# KiCad board Claculator_Display.kicad_pcb
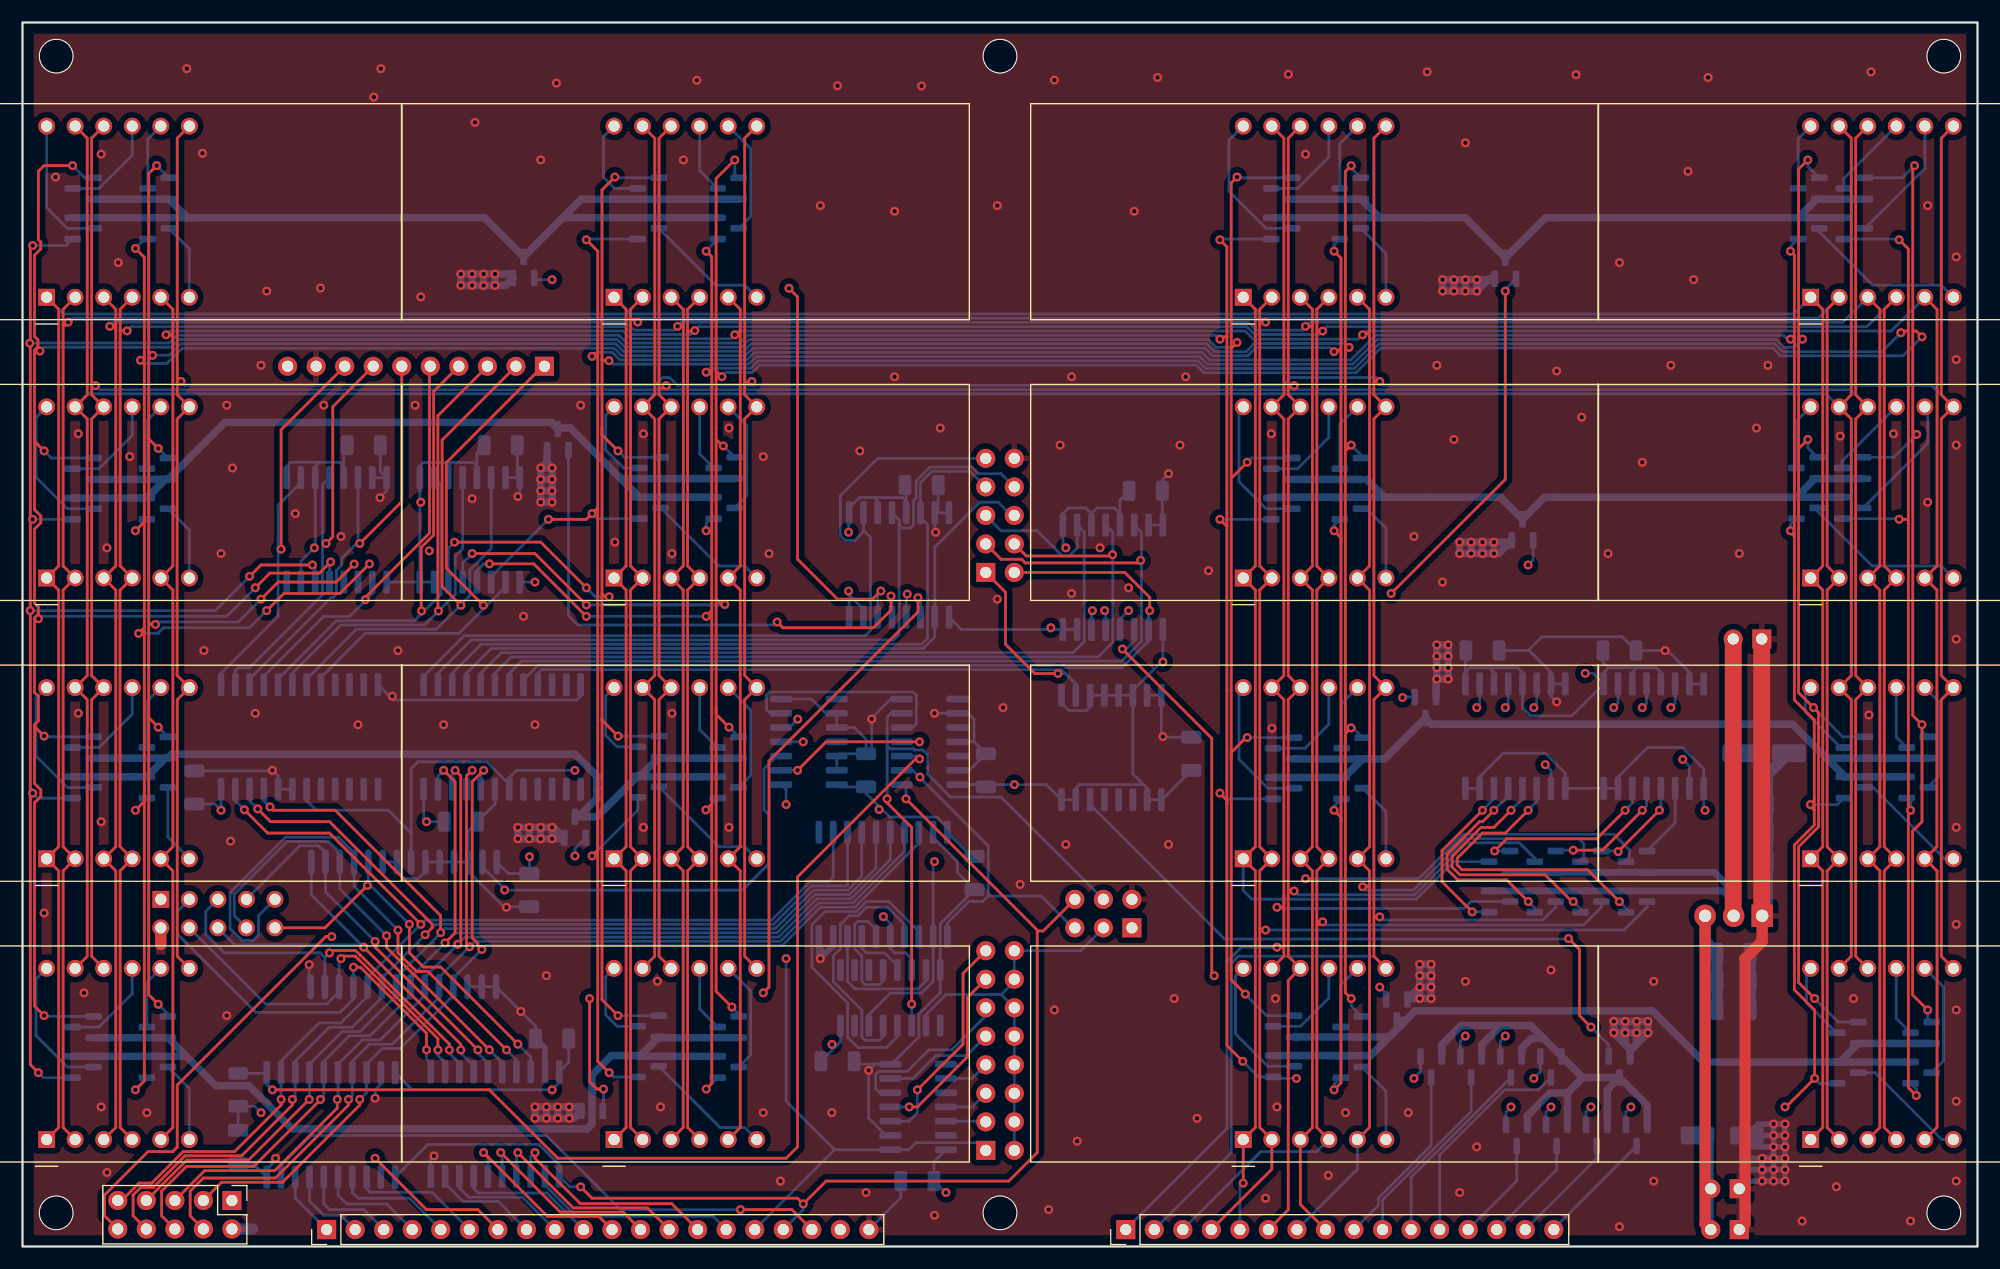
[diagram p0: board, top side]
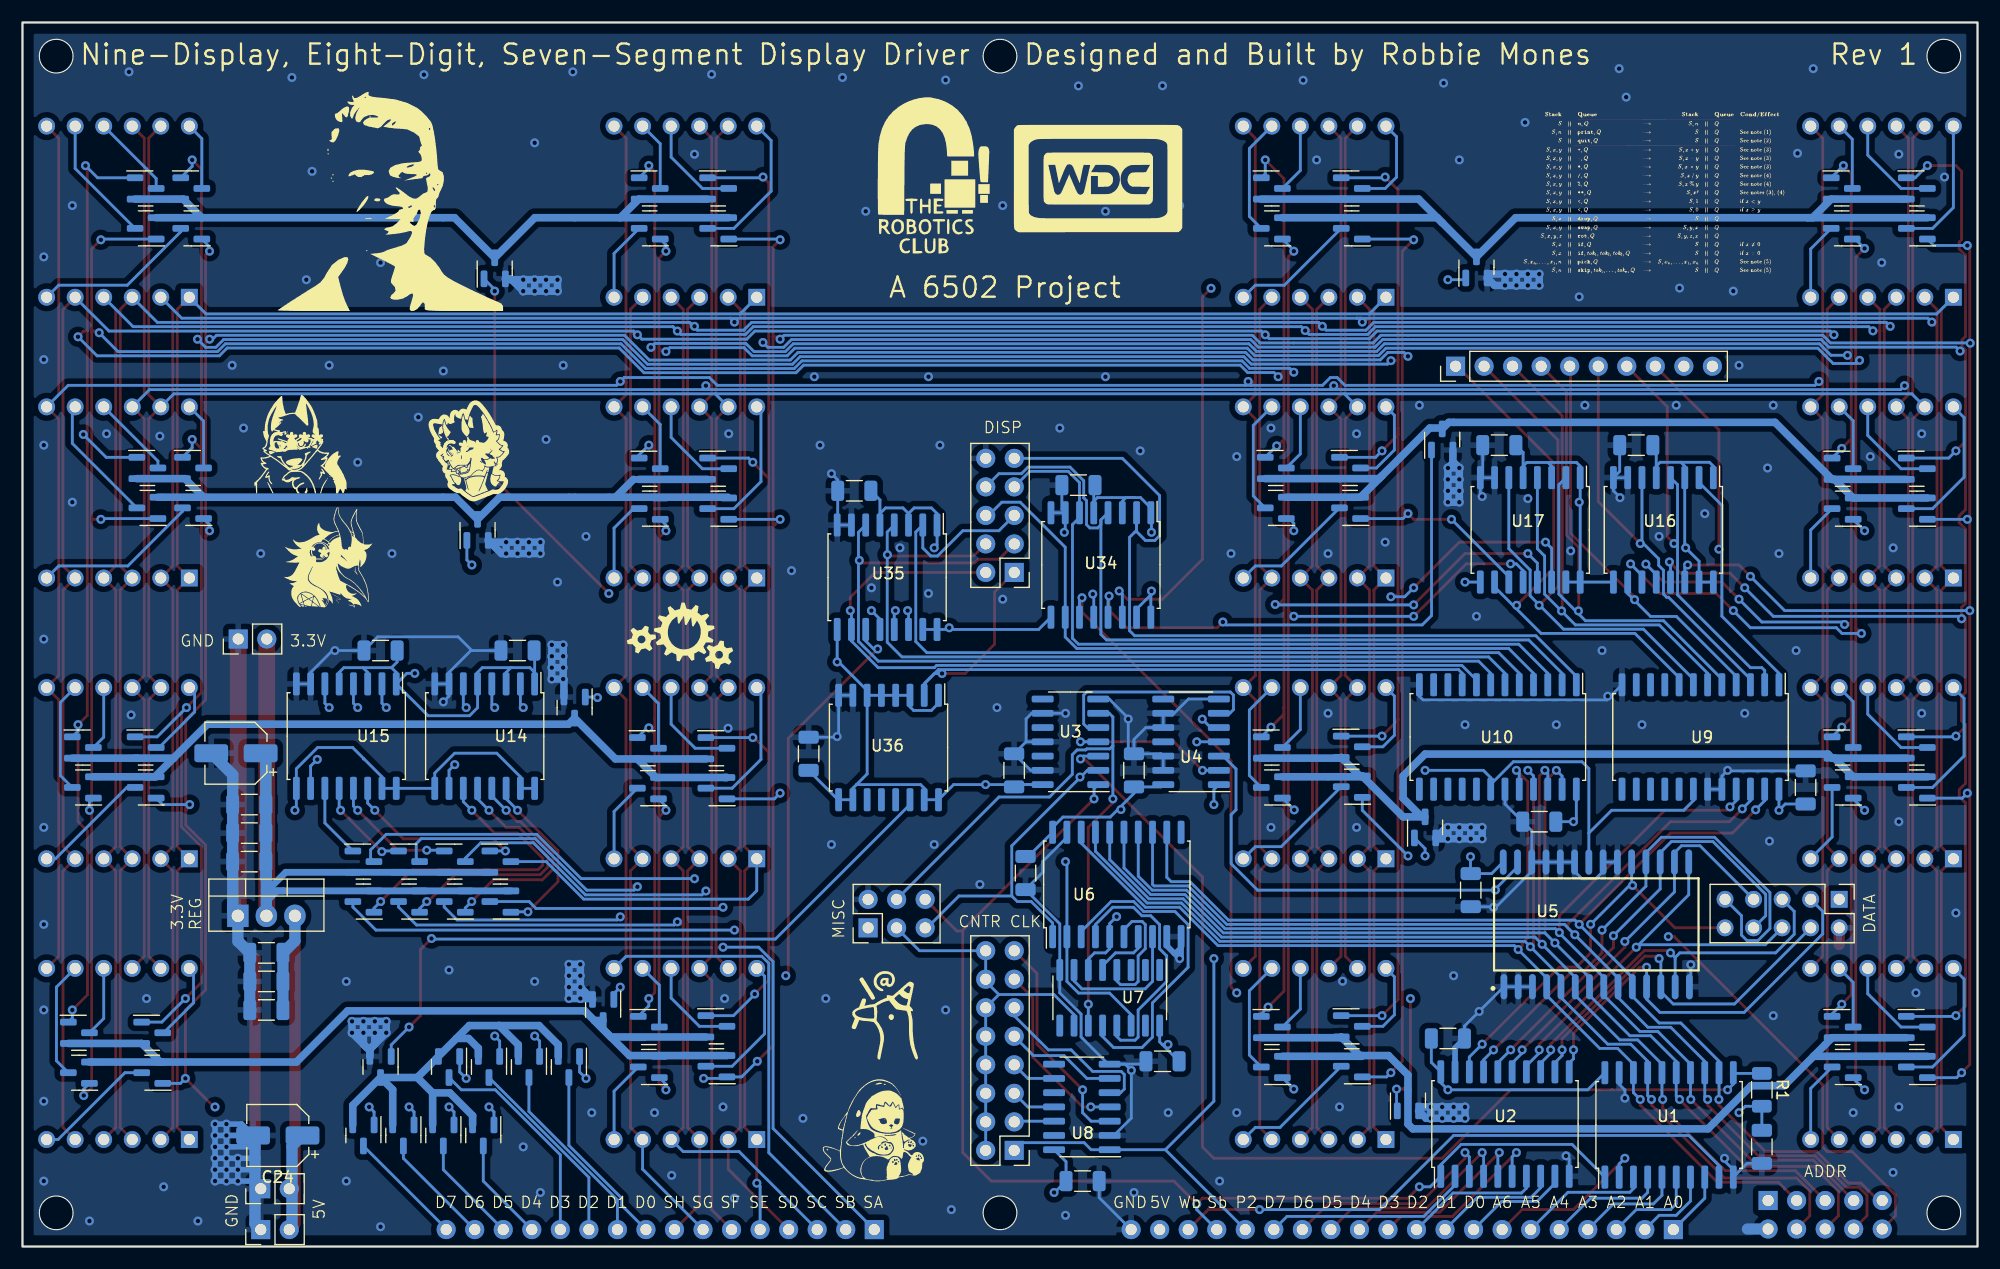
[diagram p1: board, bottom side, seen from below]

Outline 174 x 109 mm; copper layers: Top, In1.Cu (plane), In2.Cu (plane), Bottom. Coordinates in mm from the lower left corner of the outline.
Outline path: rectangle 0,109 174,0 ; circle c3,106 r1.5 ; circle c3,3 r1.5 ; circle c87,106 r1.5 ; circle c87,3 r1.5 ; circle c171,106 r1.5 ; circle c171,3 r1.5
Stack: Top 0.035mm / dielectric 0.1mm FR4 er 4.5 / In1.Cu 0.035mm / dielectric 1.24mm FR4 er 4.5 / In2.Cu 0.035mm / dielectric 0.1mm FR4 er 4.5 / Bottom 0.035mm

## Placement (name value [footprint] x y rotation side)
C1  10uF  [C_1206_3216Metric]  152.29 26.15 0 bottom
C2  1uF  [C_1206_3216Metric]  152.29 23.61 0 bottom
C3  0.1uF  [C_1206_3216Metric]  152.29 21.07 0 bottom
C4  10uF  [C_1206_3216Metric]  153.82 39.36 0 bottom
C5  1uF  [C_1206_3216Metric]  153.82 36.82 0 bottom
C6  0.1uF  [C_1206_3216Metric]  153.82 34.28 0 bottom
C7  1uF  [C_1206_3216Metric]  39.01 37.83 0 bottom
C8  1uF  [C_1206_3216Metric]  15.3 40.88 90 bottom
C9  1uF  [C_1206_3216Metric]  45.1 31.74 270 bottom
C10  1uF  [C_1206_3216Metric]  47.14 18.53 180 bottom
C11  1uF  [C_1206_3216Metric]  19.2 8.88 270 bottom
C12  1uF  [C_1206_3216Metric]  85.74 42.4 90 bottom
C13  1uF  [C_1206_3216Metric]  75.08 42.4 90 bottom
C14  1uF  [C_1206_3216Metric]  79.65 5.83 180 bottom
C15  1uF  [C_1206_3216Metric]  72.54 16.5 0 bottom
C16  1uF  [C_1206_3216Metric]  84.73 33.26 270 bottom
C17  1uF  [C_1206_3216Metric]  129.94 53.07 0 bottom
C18  1uF  [C_1206_3216Metric]  142.13 53.07 0 bottom
C19  1uF  [C_1206_3216Metric]  80.02 67.8 0 bottom
C20  1uF  [C_1206_3216Metric]  99.97 67.3 0 bottom
C21  1uF  [C_1206_3216Metric]  104.03 43.88 90 bottom
C22  1uF  [C_1206_3216Metric]  30.37 71.36 0 bottom
C23  1uF  [C_1206_3216Metric]  42.56 71.36 0 bottom
C24  100uF  [CP_Elec_5x3]  151.28 9.89 0 bottom
C25  100uF  [CP_Elec_5x3]  155 43.93 0 bottom
G***  -  [LOGO]  141.27 93.35 180 bottom
G***#2  -  [LOGO]  97.27 20.6 180 bottom
G***#3  -  [LOGO]  78.27 95.1 180 bottom
G***#4  -  [LOGO]  98.27 10.35 180 bottom
G***#5  -  [LOGO]  146.77 61.35 180 bottom
G***#6  -  [LOGO]  149.65 71.58 180 bottom
G***#7  -  [LOGO]  93.27 95.35 180 bottom
G***#8  -  [LOGO]  115.52 52.85 180 bottom
G***#9  -  [LOGO]  28.77 93.85 180 bottom
G***#10  -  [LOGO]  134.27 70.85 180 bottom
J1  ~  [PinHeader_2x08_P2.54mm_Vertical]  85.73 8.56 0 bottom
J2  Conn_01x10_Pin  [PinHeader_2x05_P2.54mm_Vertical#2]  12.31 30.92 270 bottom
J3  Conn_01x10_Pin  [PinHeader_2x05_P2.54mm_Vertical]  18.64 4.1 270 top
J4  Conn_01x20_Pin  [PinHeader_1x20_P2.54mm_Vertical]  27.07 1.51 90 top
J5  Power Input  [PinHeader_1x02_P2.54mm_Vertical]  152.79 1.51 90 bottom
J6  Conn_01x16_Pin  [PinHeader_1x16_P2.54mm_Vertical]  98.19 1.51 90 top
J7  Conn_01x10_Pin  [PinHeader_1x10_P2.54mm_Vertical]  46.46 78.39 90 bottom
J8  Conn_01x11_Pin  [PinHeader_2x05_P2.54mm_Vertical]  85.73 60.02 0 bottom
J9  Conn_01x06_Pin  [PinHeader_2x03_P2.54mm_Vertical]  98.74 28.38 90 bottom
J10  Conn_01x02_Pin  [PinHeader_1x02_P2.54mm_Vertical]  152.79 5.15 90 bottom
J11  Conn_01x02_Pin  [PinHeader_1x02_P2.54mm_Vertical]  154.79 54.1 90 bottom
Q1  PMOS  [SOT-23P]  131.46 30.72 0 bottom
Q2  PMOS  [SOT-23P]  135.53 30.72 0 bottom
Q3  PMOS  [SOT-23P]  139.59 30.72 0 bottom
Q4  PMOS  [SOT-23P]  143.66 30.72 0 bottom
Q5  PMOS  [SOT-23P]  143.66 34.28 180 bottom
Q6  PMOS  [SOT-23P]  139.59 34.28 180 bottom
Q7  PMOS  [SOT-23P]  135.53 34.28 180 bottom
Q8  PMOS  [SOT-23P]  131.46 34.28 180 bottom
Q9  NMOS  [SOT-23N]  12.08 90.66 0 bottom
Q10  NMOS  [SOT-23N]  12.08 94.22 180 bottom
Q11  NMOS  [SOT-23N]  5.4 94.22 180 bottom
Q12  NMOS  [SOT-23N]  5.4 90.66 0 bottom
Q13  NMOS  [SOT-23N]  12.01 65.71 0 bottom
Q14  NMOS  [SOT-23N]  55.69 90.66 0 bottom
Q15  NMOS  [SOT-23N]  62.81 90.66 0 bottom
Q16  NMOS  [SOT-23N]  62.81 94.22 180 bottom
Q17  NMOS  [SOT-23N]  55.69 94.22 180 bottom
Q18  NMOS  [SOT-23N]  44.6 87.19 90 bottom
Q19  NMOS  [SOT-23N]  55.85 65.77 0 bottom
Q20  NMOS  [SOT-23N]  12.01 69.26 180 bottom
Q21  NMOS  [SOT-23N]  62.45 65.77 0 bottom
Q22  NMOS  [SOT-23N]  5.4 69.26 180 bottom
Q23  NMOS  [SOT-23N]  62.45 69.33 180 bottom
Q24  NMOS  [SOT-23N]  5.4 65.71 0 bottom
Q25  NMOS  [SOT-23N]  55.85 69.33 180 bottom
Q26  NMOS  [SOT-23N]  47.64 71.87 90 bottom
Q27  NMOS  [SOT-23N]  12.01 40.88 0 bottom
Q28  NMOS  [SOT-23N]  55.69 40.95 0 bottom
Q29  NMOS  [SOT-23N]  12.01 44.44 180 bottom
Q30  NMOS  [SOT-23N]  62.81 40.88 0 bottom
Q31  NMOS  [SOT-23N]  5.4 44.44 180 bottom
Q32  NMOS  [SOT-23N]  62.81 44.44 180 bottom
Q33  NMOS  [SOT-23N]  5.4 40.88 0 bottom
Q34  NMOS  [SOT-23N]  55.69 44.5 180 bottom
Q35  NMOS  [SOT-23N]  49.17 37.32 90 bottom
Q36  NMOS  [SOT-23N]  12.01 15.99 0 bottom
Q37  NMOS  [SOT-23N]  55.69 16.05 0 bottom
Q38  NMOS  [SOT-23N]  12.01 19.54 180 bottom
Q39  NMOS  [SOT-23N]  62.81 15.99 0 bottom
Q40  NMOS  [SOT-23N]  5.4 19.54 180 bottom
Q41  NMOS  [SOT-23N]  62.81 19.54 180 bottom
Q42  NMOS  [SOT-23N]  5.4 15.99 0 bottom
Q43  NMOS  [SOT-23N]  55.69 19.61 180 bottom
Q44  NMOS  [SOT-23N]  50.69 13.02 90 bottom
Q45  NMOS  [SOT-23N]  118.18 90.66 0 bottom
Q46  NMOS  [SOT-23N]  158.97 90.66 0 bottom
Q47  NMOS  [SOT-23N]  118.18 94.22 180 bottom
Q48  NMOS  [SOT-23N]  163.04 90.66 0 bottom
Q49  NMOS  [SOT-23N]  112.08 94.22 180 bottom
Q50  NMOS  [SOT-23N]  163.04 94.22 180 bottom
Q51  NMOS  [SOT-23N]  112.08 90.66 0 bottom
Q52  NMOS  [SOT-23N]  158.97 94.22 180 bottom
Q53  NMOS  [SOT-23N]  131.97 87.11 90 bottom
Q54  NMOS  [SOT-23N]  118.18 65.71 0 bottom
Q55  NMOS  [SOT-23N]  158.82 65.77 0 bottom
Q56  NMOS  [SOT-23N]  118.18 69.26 180 bottom
Q57  NMOS  [SOT-23N]  162.88 65.77 0 bottom
Q58  NMOS  [SOT-23N]  112.08 69.26 180 bottom
Q59  NMOS  [SOT-23N]  162.88 69.33 180 bottom
Q60  NMOS  [SOT-23N]  112.08 65.71 0 bottom
Q61  NMOS  [SOT-23N]  158.82 69.33 180 bottom
Q62  NMOS  [SOT-23N]  133.5 63.82 90 bottom
Q63  NMOS  [SOT-23N]  118.33 40.81 0 bottom
Q64  NMOS  [SOT-23N]  163.04 40.88 0 bottom
Q65  NMOS  [SOT-23N]  118.33 44.37 180 bottom
Q66  NMOS  [SOT-23N]  168.63 40.88 0 bottom
Q67  NMOS  [SOT-23N]  112.24 44.37 180 bottom
Q68  NMOS  [SOT-23N]  168.63 44.44 180 bottom
Q69  NMOS  [SOT-23N]  112.24 40.81 0 bottom
Q70  NMOS  [SOT-23N]  163.04 44.44 180 bottom
Q71  NMOS  [SOT-23N]  124.86 47.99 270 bottom
Q72  NMOS  [SOT-23N]  118.26 15.99 0 bottom
Q73  NMOS  [SOT-23N]  162.45 15.48 0 bottom
Q74  NMOS  [SOT-23N]  118.26 19.54 180 bottom
Q75  NMOS  [SOT-23N]  168.98 15.48 0 bottom
Q76  NMOS  [SOT-23N]  112.24 19.61 180 bottom
Q77  NMOS  [SOT-23N]  168.98 19.04 180 bottom
Q78  NMOS  [SOT-23N]  112.24 16.05 0 bottom
Q79  NMOS  [SOT-23N]  162.45 19.04 180 bottom
Q80  NMOS  [SOT-23N]  122.32 21.07 270 bottom
Q81  NMOS  [SOT-23N]  136.04 15.99 270 bottom
Q82  NMOS  [SOT-23N]  143.66 9.89 270 bottom
Q83  NMOS  [SOT-23N]  132.48 15.99 270 bottom
Q84  NMOS  [SOT-23N]  140.1 9.89 270 bottom
Q85  NMOS  [SOT-23N]  128.92 15.99 270 bottom
Q86  NMOS  [SOT-23N]  136.54 9.89 270 bottom
Q87  NMOS  [SOT-23N]  125.37 15.99 270 bottom
Q88  NMOS  [SOT-23N]  132.99 9.89 270 bottom
Q89  NMOS  [SOT-23N]  142.13 15.99 270 bottom
R1  10K  [R_1206_3216Metric]  19.2 13.96 270 bottom
U1  74HC541  [SOIC-20W_7.5x12.8mm_P1.27mm]  27.45 10.83 90 bottom
U2  74HC541  [SOIC-20W_7.5x12.8mm_P1.27mm]  42.06 10.91 90 bottom
U3  74HC14  [SOIC-14_3.9x8.7mm_P1.27mm]  80.73 44.94 0 bottom
U4  74HC00  [SOIC-14_3.9x8.7mm_P1.27mm]  70 44.94 0 bottom
U5  IS62C256AL  [SOIC127P1210X305-28N]  33.93 28.69 90 bottom
U6  74HC541  [SOIC-20W_7.5x12.8mm_P1.27mm]  76.6 32.24 90 bottom
U7  74HC4020  [SOIC-16_3.9x9.9mm_P1.27mm]  77.23 22.15 270 bottom
U8  74HC4024  [SOIC-14_3.9x8.7mm_P1.27mm]  79.71 12.43 0 bottom
U9  74HC154  [SOIC-24W_7.5x15.4mm_P1.27mm]  24.66 45.37 270 bottom
U10  74HC154  [SOIC-24W_7.5x15.4mm_P1.27mm]  42.69 45.37 270 bottom
U11  LD1086V33-DG  [TO-220-3_Vertical]  154.83 29.45 180 bottom
U12  CC56-12EWA  [CA56-12EWA]  2.15 84.53 90 top
U13  CC56-12EWA  [CA56-12EWA]  52.65 84.53 90 top
U14  ~  [SOIC-16W_7.5x10.3mm_P1.27mm]  132.86 45.45 270 bottom
U15  ~  [SOIC-16W_7.5x10.3mm_P1.27mm]  145.18 45.45 270 bottom
U16  ~  [SOIC-16W_7.5x10.3mm_P1.27mm]  27.96 63.82 270 bottom
U17  ~  [SOIC-16W_7.5x10.3mm_P1.27mm]  39.81 63.82 270 bottom
U18  CC56-12EWA  [CA56-12EWA]  2.15 59.53 90 top
U19  CC56-12EWA  [CA56-12EWA]  52.65 59.53 90 top
U20  CC56-12EWA  [CA56-12EWA]  2.15 34.53 90 top
U21  CC56-12EWA  [CA56-12EWA]  52.65 34.53 90 top
U22  CC56-12EWA  [CA56-12EWA]  2.15 9.53 90 top
U23  CC56-12EWA  [CA56-12EWA]  52.65 9.53 90 top
U24  CC56-12EWA  [CA56-12EWA]  108.65 84.53 90 top
U25  CC56-12EWA  [CA56-12EWA]  159.15 84.53 90 top
U26  CC56-12EWA  [CA56-12EWA]  108.65 59.53 90 top
U27  CC56-12EWA  [CA56-12EWA]  159.15 59.53 90 top
U28  CC56-12EWA  [CA56-12EWA]  108.65 34.53 90 top
U29  CC56-12EWA  [CA56-12EWA]  159.15 34.53 90 top
U30  CC56-12EWA  [CA56-12EWA]  108.65 9.53 90 top
U31  CC56-12EWA  [CA56-12EWA]  159.15 9.53 90 top
U34  ~  [SOIC-16W_7.5x10.3mm_P1.27mm]  78.02 60.69 270 bottom
U35  ~  [SOIC-16W_7.5x10.3mm_P1.27mm]  97.05 59.6 270 bottom
U36  ~  [SOIC-16W_7.5x10.3mm_P1.27mm]  96.92 44.44 270 bottom

## Library data of the parts
C1-C25 = -: ki_fp_filters: CP_*
J2 J3 J7 = -: Description: Generic connector, single row, 01x10, script generated; ki_fp_filters: Connector*:*_1x??_*
J4 J6 = -: ki_fp_filters: Connector*:*_1x??_*
J5 J10 J11 = -: Description: Generic connector, single row, 01x02, script generated; ki_fp_filters: Connector*:*_1x??_*
J8 = -: Description: Generic connector, single row, 01x11, script generated; ki_fp_filters: Connector*:*_1x??_*
J9 = -: Description: Generic connector, single row, 01x06, script generated; ki_fp_filters: Connector*:*_1x??_*
Q1-Q89 = -: Datasheet: https://ngspice.sourceforge.io/docs/ngspice-manual.pdf; Sim.Pins: 1=D 2=G 3=S; Sim.Type: VDMOS
R1 = -: ki_fp_filters: R_*
U1 U2 U6 = -: Datasheet: http://www.ti.com/lit/gpn/sn74HCT541; ki_fp_filters: DIP?20*
U3 = -: Datasheet: http://www.ti.com/lit/gpn/sn74HC14; ki_fp_filters: DIP*W7.62mm*
U4 = -: Datasheet: http://www.ti.com/lit/gpn/sn74hc00; ki_fp_filters: DIP*W7.62mm* SO14*
U5 = -: Datasheet: https://www.futurlec.com/Datasheet/Memory/62256.pdf; ki_fp_filters: DIP*W15.24mm*
U7 = -: Datasheet: http://www.intersil.com/content/dam/Intersil/documents/cd40/cd4020bms-24bms-40bms.pdf; ki_fp_filters: DIP?16*
U8 = -: Datasheet: https://assets.nexperia.com/documents/data-sheet/74HC4024.pdf; ki_fp_filters: SOIC*3.9x8.7mm*P1.27mm*
U11 = -: Datasheet: https://www.st.com/resource/en/datasheet/ld1086.pdf; ki_fp_filters: TO?220*
U12 U13 U18-U31 = -: Datasheet: http://www.kingbrightusa.com/images/catalog/SPEC/CA56-12EWA.pdf; ki_fp_filters: *CA56*12EWA*

## Footprints (pads in the part's own frame, mm; a bottom-side part is the same pattern mirrored in y, then rotated)
C_1206_3216Metric
  rrect 1.15x1.8 smd: 1(-1.475,0) 2(1.475,0)
CA56-12EWA
  rect 1.5x1.5 hole 1: 1(0,0)
  round 1.5 hole 1: 2(0,-2.54) 3(0,-5.08) 4(0,-7.62) 5(0,-10.16) 6(0,-12.7) 7(15.24,-12.7) 8(15.24,-10.16) 9(15.24,-7.62) 10(15.24,-5.08) 11(15.24,-2.54) 12(15.24,0)
CP_Elec_5x3
  rrect 3x1.6 smd: 1(-2.2,0) 2(2.2,0)
PinHeader_1x02_P2.54mm_Vertical
  rect 1.7x1.7 hole 1: 1(0,0)
  oval 1.7x1.7 hole 1: 2(0,-2.54)
PinHeader_1x10_P2.54mm_Vertical
  rect 1.7x1.7 hole 1: 1(0,0)
  oval 1.7x1.7 hole 1: 2(0,-2.54) 3(0,-5.08) 4(0,-7.62) 5(0,-10.16) 6(0,-12.7) 7(0,-15.24) 8(0,-17.78) 9(0,-20.32) 10(0,-22.86)
PinHeader_1x16_P2.54mm_Vertical
  rect 1.7x1.7 hole 1: 1(0,0)
  oval 1.7x1.7 hole 1: 2(0,-2.54) 3(0,-5.08) 4(0,-7.62) 5(0,-10.16) 6(0,-12.7) 7(0,-15.24) 8(0,-17.78) 9(0,-20.32) 10(0,-22.86) 11(0,-25.4) 12(0,-27.94) 13(0,-30.48) 14(0,-33.02) 15(0,-35.56) 16(0,-38.1)
PinHeader_1x20_P2.54mm_Vertical
  rect 1.7x1.7 hole 1: 1(0,0)
  oval 1.7x1.7 hole 1: 2(0,-2.54) 3(0,-5.08) 4(0,-7.62) 5(0,-10.16) 6(0,-12.7) 7(0,-15.24) 8(0,-17.78) 9(0,-20.32) 10(0,-22.86) 11(0,-25.4) 12(0,-27.94) 13(0,-30.48) 14(0,-33.02) 15(0,-35.56) 16(0,-38.1) 17(0,-40.64) 18(0,-43.18) 19(0,-45.72) 20(0,-48.26)
PinHeader_2x03_P2.54mm_Vertical
  rect 1.7x1.7 hole 1: 1(0,0)
  oval 1.7x1.7 hole 1: 2(2.54,0) 3(0,-2.54) 4(2.54,-2.54) 5(0,-5.08) 6(2.54,-5.08)
PinHeader_2x05_P2.54mm_Vertical
  rect 1.7x1.7 hole 1: 1(0,0)
  oval 1.7x1.7 hole 1: 2(2.54,0) 3(0,-2.54) 4(2.54,-2.54) 5(0,-5.08) 6(2.54,-5.08) 7(0,-7.62) 8(2.54,-7.62) 9(0,-10.16) 10(2.54,-10.16)
PinHeader_2x05_P2.54mm_Vertical#2
  rect 1.5x1.5 hole 1: 1(0,0)
  oval 1.5x1.5 hole 1: 2(2.54,0) 3(0,-2.54) 4(2.54,-2.54) 5(0,-5.08) 6(2.54,-5.08) 7(0,-7.62) 8(2.54,-7.62) 9(0,-10.16) 10(2.54,-10.16)
PinHeader_2x08_P2.54mm_Vertical
  rect 1.7x1.7 hole 1: 1(0,0)
  oval 1.7x1.7 hole 1: 2(2.54,0) 3(0,-2.54) 4(2.54,-2.54) 5(0,-5.08) 6(2.54,-5.08) 7(0,-7.62) 8(2.54,-7.62) 9(0,-10.16) 10(2.54,-10.16) 11(0,-12.7) 12(2.54,-12.7) 13(0,-15.24) 14(2.54,-15.24) 15(0,-17.78) 16(2.54,-17.78)
R_1206_3216Metric
  rrect 1.125x1.75 smd: 1(-1.462,0) 2(1.462,0)
SOIC127P1210X305-28N
  oval 2.25x0.6 smd: 1(-5.55,8.225) 2(-5.55,6.955) 3(-5.55,5.685) 4(-5.55,4.415) 5(-5.55,3.145) 6(-5.55,1.875) 7(-5.55,0.605) 8(-5.55,-0.665) 9(-5.55,-1.935) 10(-5.55,-3.205) 11(-5.55,-4.475) 12(-5.55,-5.745) 13(-5.55,-7.015) 14(-5.55,-8.285) 15(5.55,-8.225) 16(5.55,-6.955) 17(5.55,-5.685) 18(5.55,-4.415) 19(5.55,-3.145) 20(5.55,-1.875) 21(5.55,-0.605) 22(5.55,0.665) 23(5.55,1.935) 24(5.55,3.205) 25(5.55,4.475) 26(5.55,5.745) 27(5.55,7.015) 28(5.55,8.285)
SOIC-14_3.9x8.7mm_P1.27mm
  rrect 1.95x0.6 smd: 1(-2.475,3.81) 2(-2.475,2.54) 3(-2.475,1.27) 4(-2.475,0) 5(-2.475,-1.27) 6(-2.475,-2.54) 7(-2.475,-3.81) 8(2.475,-3.81) 9(2.475,-2.54) 10(2.475,-1.27) 11(2.475,0) 12(2.475,1.27) 13(2.475,2.54) 14(2.475,3.81)
SOIC-16_3.9x9.9mm_P1.27mm
  rrect 1.95x0.6 smd: 1(-2.475,4.445) 2(-2.475,3.175) 3(-2.475,1.905) 4(-2.475,0.635) 5(-2.475,-0.635) 6(-2.475,-1.905) 7(-2.475,-3.175) 8(-2.475,-4.445) 9(2.475,-4.445) 10(2.475,-3.175) 11(2.475,-1.905) 12(2.475,-0.635) 13(2.475,0.635) 14(2.475,1.905) 15(2.475,3.175) 16(2.475,4.445)
SOIC-16W_7.5x10.3mm_P1.27mm
  rrect 2.05x0.6 smd: 1(-4.65,4.445) 2(-4.65,3.175) 3(-4.65,1.905) 4(-4.65,0.635) 5(-4.65,-0.635) 6(-4.65,-1.905) 7(-4.65,-3.175) 8(-4.65,-4.445) 9(4.65,-4.445) 10(4.65,-3.175) 11(4.65,-1.905) 12(4.65,-0.635) 13(4.65,0.635) 14(4.65,1.905) 15(4.65,3.175) 16(4.65,4.445)
SOIC-20W_7.5x12.8mm_P1.27mm
  rrect 2.05x0.6 smd: 1(-4.65,5.715) 2(-4.65,4.445) 3(-4.65,3.175) 4(-4.65,1.905) 5(-4.65,0.635) 6(-4.65,-0.635) 7(-4.65,-1.905) 8(-4.65,-3.175) 9(-4.65,-4.445) 10(-4.65,-5.715) 11(4.65,-5.715) 12(4.65,-4.445) 13(4.65,-3.175) 14(4.65,-1.905) 15(4.65,-0.635) 16(4.65,0.635) 17(4.65,1.905) 18(4.65,3.175) 19(4.65,4.445) 20(4.65,5.715)
SOIC-24W_7.5x15.4mm_P1.27mm
  rrect 2.05x0.6 smd: 1(-4.65,6.985) 2(-4.65,5.715) 3(-4.65,4.445) 4(-4.65,3.175) 5(-4.65,1.905) 6(-4.65,0.635) 7(-4.65,-0.635) 8(-4.65,-1.905) 9(-4.65,-3.175) 10(-4.65,-4.445) 11(-4.65,-5.715) 12(-4.65,-6.985) 13(4.65,-6.985) 14(4.65,-5.715) 15(4.65,-4.445) 16(4.65,-3.175) 17(4.65,-1.905) 18(4.65,-0.635) 19(4.65,0.635) 20(4.65,1.905) 21(4.65,3.175) 22(4.65,4.445) 23(4.65,5.715) 24(4.65,6.985)
SOT-23N
  rrect 1.475x0.6 smd: 1(0.938,0) 2(-0.938,0.95) 3(-0.938,-0.95)
SOT-23P
  rrect 1.475x0.6 smd: 1(0.938,0) 2(-0.938,0.95) 3(-0.938,-0.95)
TO-220-3_Vertical
  rect 1.905x2 hole 1.1: 1(0,0)
  oval 1.905x2 hole 1.1: 2(2.54,0) 3(5.08,0)

## Nets
+3.3V: C4.1 C5.1 C6.1 C25.1 J11.2 Q1.3 Q2.3 Q3.3 Q4.3 Q5.3 Q6.3 Q7.3 Q8.3 U11.2
+5V: C1.1 C2.1 C3.1 C7.1 C8.1 C9.1 C10.1 C11.1 C12.1 C13.1 C14.1 C15.1 C16.1 C17.1 C18.1 C19.1 C20.1 C21.1 C22.1 C23.1 C24.1 J2.1 J3.1 J4.19 J5.2 J7.10 J9.1 J10.2 R1.2 U1.20 U2.20 U3.14 U4.14 U5.28 U6.20 U7.16 U8.14 U9.24 U10.24 U11.3 U14.1 U14.3 U14.5 U14.9 U14.15 U14.16 U15.1 U15.3 U15.5 U15.9 U15.15 U15.16 U16.1 U16.3 U16.5 U16.9 U16.15 U16.16 U17.1 U17.3 U17.5 U17.9 U17.15 U17.16 U34.1 U34.3 U34.5 U34.9 U34.15 U34.16 U35.1 U35.3 U35.5 U35.9 U35.15 U35.16 U36.1 U36.3 U36.4 U36.5 U36.6 U36.9 U36.10 U36.15 U36.16
GND: C1.2 C2.2 C3.2 C4.2 C5.2 C6.2 C7.2 C8.2 C9.2 C10.2 C11.2 C12.2 C13.2 C14.2 C15.2 C16.2 C17.2 C18.2 C19.2 C20.2 C21.2 C22.2 C23.2 C24.2 C25.2 J2.2 J3.2 J4.20 J5.1 J7.9 J8.10 J9.2 J10.1 J11.1 Q18.3 Q26.3 Q35.3 Q44.3 Q53.3 Q62.3 Q71.3 Q80.3 Q89.3 U1.10 U1.19 U2.10 U2.19 U3.7 U3.9 U3.11 U3.13 U4.7 U4.9 U4.10 U4.12 U4.13 U5.1 U5.2 U5.3 U5.14 U5.20 U5.21 U5.23 U5.24 U5.25 U5.26 U6.9 U6.10 U6.19 U7.8 U8.2 U8.7 U9.12 U9.19 U9.20 U10.12 U10.19 U11.1 U14.7 U14.8 U15.7 U15.8 U16.7 U16.8 U17.7 U17.8 U34.7 U34.8 U35.7 U35.8 U36.7 U36.8
/Displays/Display Module1/DISP_SEL: Q26.2 U34.13
/Displays/Display Module2/DISP_SEL: Q35.2 U34.12
/Displays/Display Module3/DISP_SEL: Q44.2 U34.11
/Displays/Display Module4/DISP_SEL: Q53.2 U35.14
/Displays/Display Module5/DISP_SEL: Q62.2 U35.13
/Displays/Display Module6/DISP_SEL: Q71.2 U35.12
/Displays/Display Module7/DISP_SEL: Q80.2 U35.11
/Displays/Display Module External/DISP_SEL: Q89.2 U36.14
/Displays/Display Module/DISP_SEL: Q18.2 U34.14
A0: J4.1 U1.8
A1: J4.2 U1.7
A2: J4.3 U1.6
A3: J4.4 U1.5
A4: J4.5 U1.4
A5: J4.6 U1.3
A6: J4.7 U1.2
CNTR_CLK: J1.2 J1.4 J1.6 J1.8 J1.10 J1.12 J1.14 J1.16 J9.3 U7.10
D0: J4.8 U2.9
D1: J4.9 U2.8
D2: J4.10 U2.7
D3: J4.11 U2.6
D4: J4.12 U2.5
D5: J4.13 U2.4
D6: J4.14 U2.3
D7: J4.15 U2.2
DIG0b: J7.8 U9.1 U16.2
DIG1b: J7.7 U9.2 U16.4
DIG2b: J7.6 U9.3 U16.6
DIG3b: J7.5 U9.4 U16.10
DIG4b: J7.4 U9.5 U17.2
DIG5b: J7.3 U9.6 U17.4
DIG6b: J7.2 U9.7 U17.6
DIG7b: J7.1 U9.8 U17.10
DIG_0: Q12.2 Q24.2 Q33.2 Q42.2 Q51.2 Q60.2 Q69.2 Q78.2 Q87.2 U16.14
DIG_1: Q11.2 Q22.2 Q31.2 Q40.2 Q49.2 Q58.2 Q67.2 Q76.2 Q85.2 U16.13
DIG_2: Q10.2 Q20.2 Q29.2 Q38.2 Q47.2 Q56.2 Q65.2 Q74.2 Q83.2 U16.12
DIG_3: Q9.2 Q13.2 Q27.2 Q36.2 Q45.2 Q54.2 Q63.2 Q72.2 Q81.2 U16.11
DIG_4: Q17.2 Q25.2 Q34.2 Q43.2 Q52.2 Q61.2 Q70.2 Q79.2 Q88.2 U17.14
DIG_5: Q16.2 Q23.2 Q32.2 Q41.2 Q50.2 Q59.2 Q68.2 Q77.2 Q86.2 U17.13
DIG_6: Q15.2 Q21.2 Q30.2 Q39.2 Q48.2 Q57.2 Q66.2 Q75.2 Q84.2 U17.12
DIG_7: Q14.2 Q19.2 Q28.2 Q37.2 Q46.2 Q55.2 Q64.2 Q73.2 Q82.2 U17.11
DISP0b: J8.9 U10.1 U34.2
DISP1b: J8.8 U10.2 U34.4
DISP2b: J8.7 U10.3 U34.6
DISP3b: J8.6 U10.4 U34.10
DISP4b: J8.5 U10.5 U35.2
DISP5b: J8.4 U10.6 U35.4
DISP6b: J8.3 U10.7 U35.6
DISP7b: J8.2 U10.8 U35.10
DISP8b: J8.1 U10.9 U36.2
Phi2: J1.1 J4.16 U4.1 U8.1
RAM_A0: J3.9 U1.12 U5.10 U6.12 U9.23
RAM_A1: J3.8 U1.13 U5.9 U6.13 U9.22
RAM_A2: J3.7 U1.14 U5.8 U6.14 U9.21
RAM_A3: J3.6 U1.15 U5.7 U6.15 U10.23
RAM_A4: J3.5 U1.16 U5.6 U6.16 U10.22
RAM_A5: J3.4 U1.17 U5.5 U6.17 U10.21
RAM_A6: J3.3 U1.18 U5.4 U6.18 U10.20
RAM_D0: J2.3 U2.11 U5.11 U14.2
RAM_D1: J2.4 U2.12 U5.12 U14.4
RAM_D2: J2.5 U2.13 U5.13 U14.6
RAM_D3: J2.6 U2.14 U5.15 U14.10
RAM_D4: J2.7 U2.15 U5.16 U15.2
RAM_D5: J2.8 U2.16 U5.17 U15.4
RAM_D6: J2.9 U2.17 U5.18 U15.6
RAM_D7: J2.10 U2.18 U5.19 U15.10
RAM_WEb: J3.10 U4.3 U5.27
SEG_A: J6.1 Q1.1 U12.11 U13.11 U18.11 U19.11 U20.11 U21.11 U22.11 U23.11 U24.11 U25.11 U26.11 U27.11 U28.11 U29.11 U30.11 U31.11
SEG_B: J6.2 Q2.1 U12.7 U13.7 U18.7 U19.7 U20.7 U21.7 U22.7 U23.7 U24.7 U25.7 U26.7 U27.7 U28.7 U29.7 U30.7 U31.7
SEG_C: J6.3 Q3.1 U12.4 U13.4 U18.4 U19.4 U20.4 U21.4 U22.4 U23.4 U24.4 U25.4 U26.4 U27.4 U28.4 U29.4 U30.4 U31.4
SEG_D: J6.4 Q4.1 U12.2 U13.2 U18.2 U19.2 U20.2 U21.2 U22.2 U23.2 U24.2 U25.2 U26.2 U27.2 U28.2 U29.2 U30.2 U31.2
SEG_E: J6.5 Q8.1 U12.1 U13.1 U18.1 U19.1 U20.1 U21.1 U22.1 U23.1 U24.1 U25.1 U26.1 U27.1 U28.1 U29.1 U30.1 U31.1
SEG_F: J6.6 Q7.1 U12.10 U13.10 U18.10 U19.10 U20.10 U21.10 U22.10 U23.10 U24.10 U25.10 U26.10 U27.10 U28.10 U29.10 U30.10 U31.10
SEG_G: J6.7 Q6.1 U12.5 U13.5 U18.5 U19.5 U20.5 U21.5 U22.5 U23.5 U24.5 U25.5 U26.5 U27.5 U28.5 U29.5 U30.5 U31.5
SEG_H: J6.8 Q5.1 U12.3 U13.3 U18.3 U19.3 U20.3 U21.3 U22.3 U23.3 U24.3 U25.3 U26.3 U27.3 U28.3 U29.3 U30.3 U31.3
Sel: J9.5 U3.2 U5.22 U6.1 U9.18 U10.18
SelB: J4.17 J9.6 U1.1 U2.1 U3.1
WEb: J4.18 U1.9
Net-(J6-Pin_9): J6.9 Q87.1
Net-(J6-Pin_10): J6.10 Q85.1
Net-(J6-Pin_11): J6.11 Q83.1
Net-(J6-Pin_12): J6.12 Q81.1
Net-(J6-Pin_13): J6.13 Q88.1
Net-(J6-Pin_14): J6.14 Q86.1
Net-(J6-Pin_15): J6.15 Q84.1
Net-(J6-Pin_16): J6.16 Q82.1
Net-(J9-Pin_4): J9.4 U3.6 U7.11
Net-(Q1-G): Q1.2 U14.14
Net-(Q2-G): Q2.2 U14.13
Net-(Q3-G): Q3.2 U14.12
Net-(Q4-G): Q4.2 U14.11
Net-(Q5-G): Q5.2 U15.11
Net-(Q6-G): Q6.2 U15.12
Net-(Q7-G): Q7.2 U15.13
Net-(Q8-G): Q8.2 U15.14
Net-(Q9-D): Q9.1 U12.6
Net-(Q10-D): Q10.1 U12.8
Net-(Q10-S): Q9.3 Q10.3 Q11.3 Q12.3 Q14.3 Q15.3 Q16.3 Q17.3 Q18.1
Net-(Q11-D): Q11.1 U12.9
Net-(Q12-D): Q12.1 U12.12
Net-(Q13-D): Q13.1 U18.6
Net-(Q13-S): Q13.3 Q19.3 Q20.3 Q21.3 Q22.3 Q23.3 Q24.3 Q25.3 Q26.1
Net-(Q14-D): Q14.1 U13.6
Net-(Q15-D): Q15.1 U13.8
Net-(Q16-D): Q16.1 U13.9
Net-(Q17-D): Q17.1 U13.12
Net-(Q19-D): Q19.1 U19.6
Net-(Q20-D): Q20.1 U18.8
Net-(Q21-D): Q21.1 U19.8
Net-(Q22-D): Q22.1 U18.9
Net-(Q23-D): Q23.1 U19.9
Net-(Q24-D): Q24.1 U18.12
Net-(Q25-D): Q25.1 U19.12
Net-(Q27-D): Q27.1 U20.6
Net-(Q27-S): Q27.3 Q28.3 Q29.3 Q30.3 Q31.3 Q32.3 Q33.3 Q34.3 Q35.1
Net-(Q28-D): Q28.1 U21.6
Net-(Q29-D): Q29.1 U20.8
Net-(Q30-D): Q30.1 U21.8
Net-(Q31-D): Q31.1 U20.9
Net-(Q32-D): Q32.1 U21.9
Net-(Q33-D): Q33.1 U20.12
Net-(Q34-D): Q34.1 U21.12
Net-(Q36-D): Q36.1 U22.6
Net-(Q36-S): Q36.3 Q37.3 Q38.3 Q39.3 Q40.3 Q41.3 Q42.3 Q43.3 Q44.1
Net-(Q37-D): Q37.1 U23.6
Net-(Q38-D): Q38.1 U22.8
Net-(Q39-D): Q39.1 U23.8
Net-(Q40-D): Q40.1 U22.9
Net-(Q41-D): Q41.1 U23.9
Net-(Q42-D): Q42.1 U22.12
Net-(Q43-D): Q43.1 U23.12
Net-(Q45-D): Q45.1 U24.6
Net-(Q45-S): Q45.3 Q46.3 Q47.3 Q48.3 Q49.3 Q50.3 Q51.3 Q52.3 Q53.1